# KiCad board panel.kicad_pcb
title: Badgerd-SDWireC; date: 2023-03-02; rev: 1.2; company: Badgerd Technologies B.V.; note: Talha Can Havadar
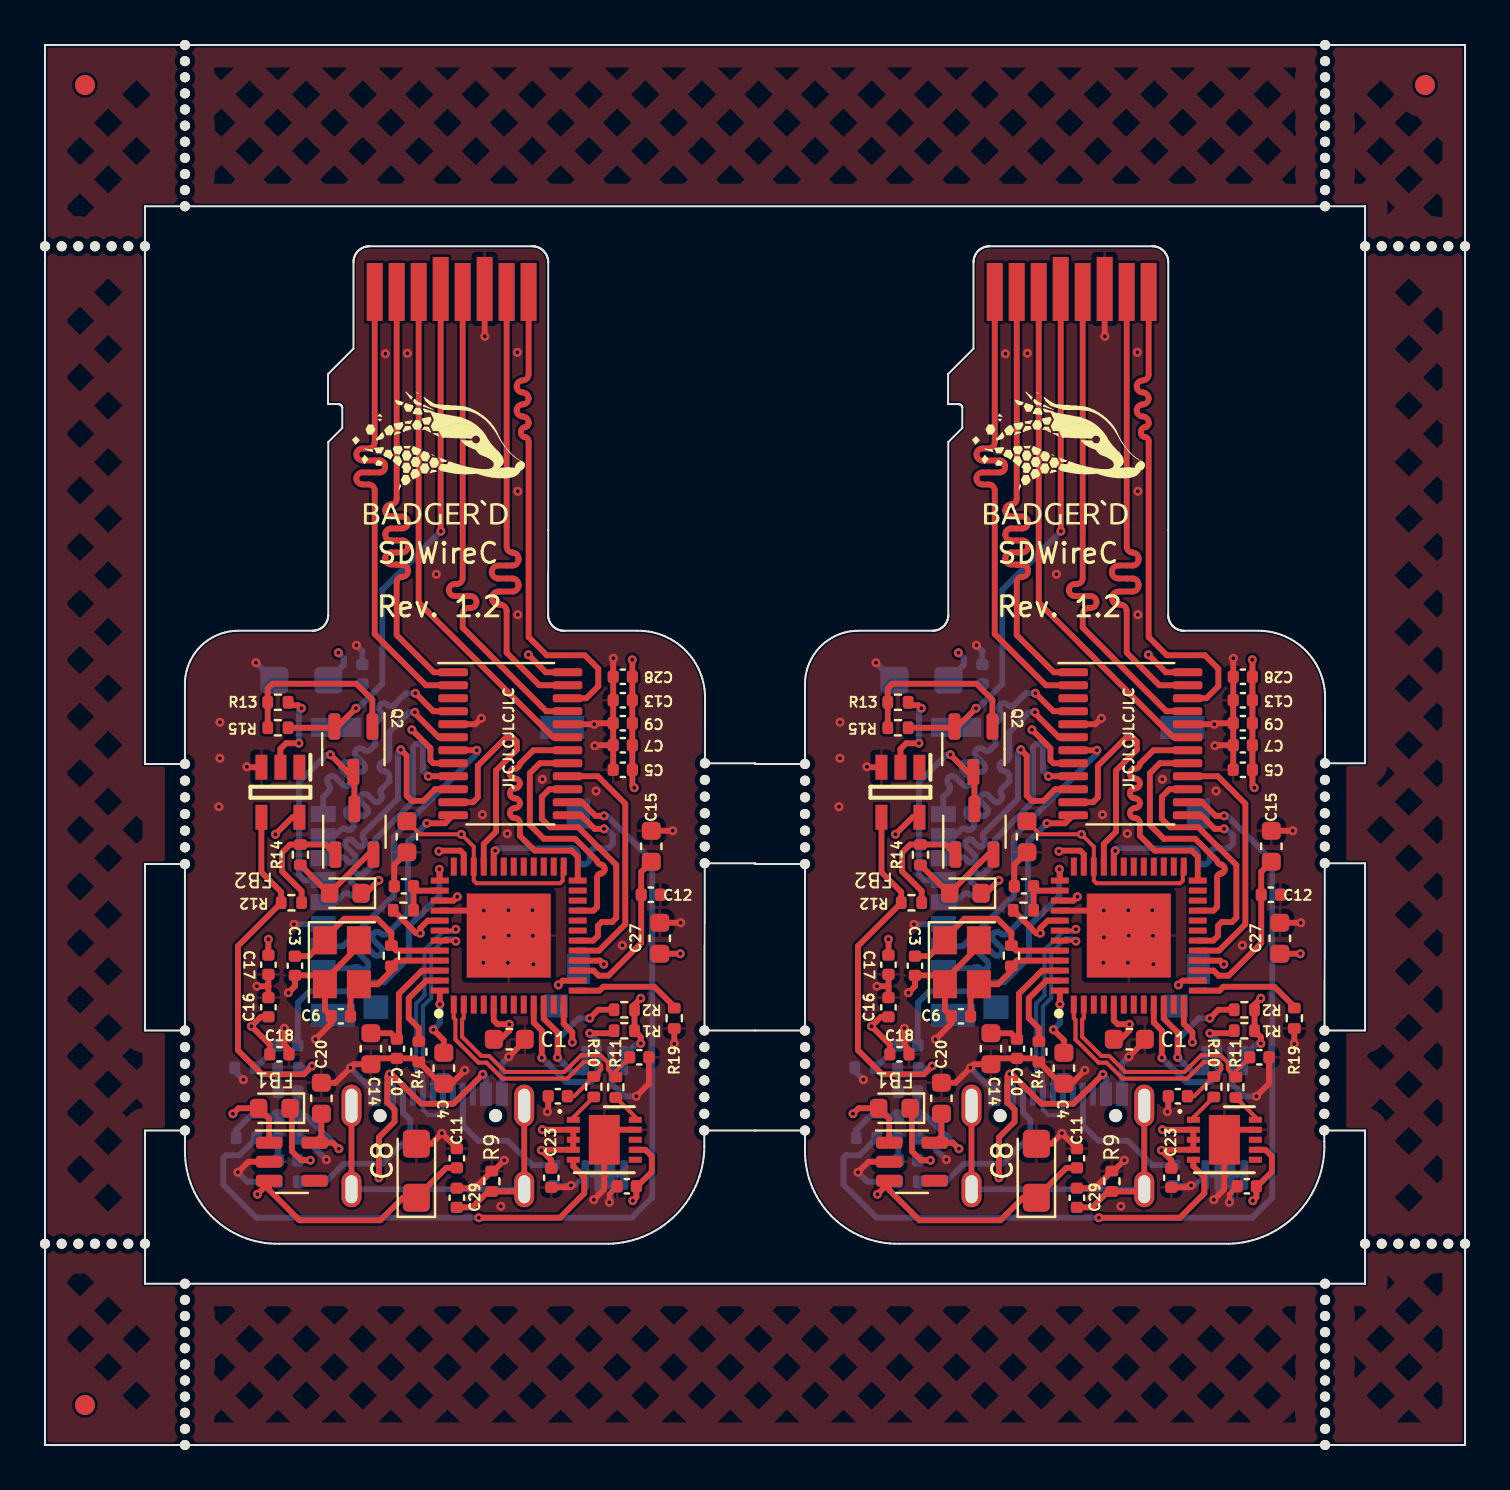
[diagram p0: board, top side]
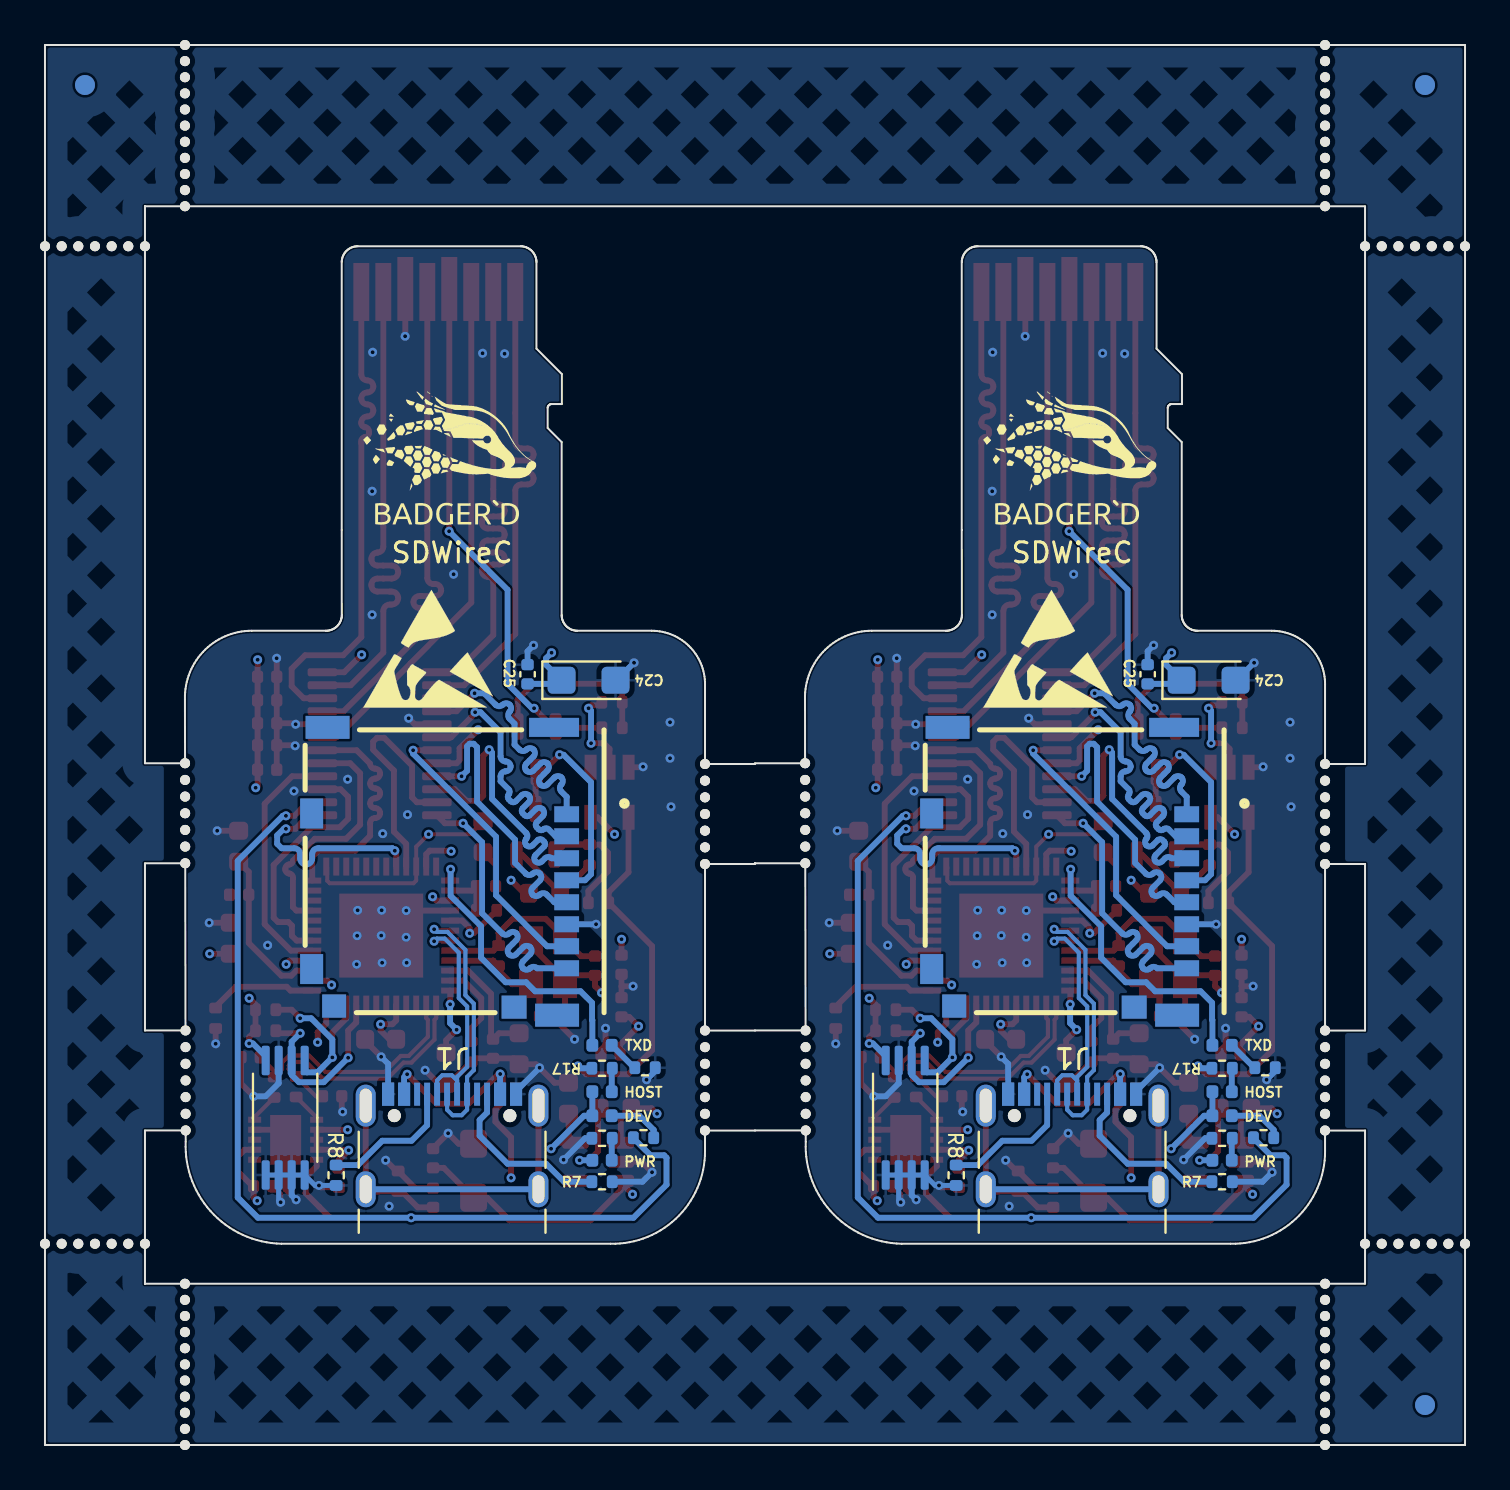
[diagram p1: board, bottom side, seen from below]

Outline 71.03 x 70 mm; copper layers: Top, In1.Cu (plane), In2.Cu (plane), Bottom. Coordinates in mm from the lower left corner of the outline.
Outline path: 0,70 0,0 71.03,0 71.03,70 0,70 ; 5,61.94 66.03,61.94 66.03,34.09 64.02,34.09 64.03,37.29 64.03,37.46 64.02,37.63 64,37.8 63.97,37.97 63.94,38.14 63.89,38.31 63.84,38.47 63.78,38.63 63.71,38.79 63.63,38.94 63.55,39.09 63.46,39.24 63.36,39.38 63.25,39.51 63.14,39.64 63.02,39.77 62.89,39.88 62.76,39.99 62.62,40.1 62.48,40.19 62.33,40.28 62.18,40.36 62.02,40.43 61.86,40.5 61.7,40.55 61.53,40.6 61.37,40.64 61.2,40.67 61.03,40.69 60.86,40.71 60.68,40.71 56.98,40.71 56.94,40.71 56.9,40.72 56.86,40.72 56.82,40.73 56.78,40.73 56.74,40.75 56.71,40.76 56.67,40.77 56.63,40.79 56.59,40.81 56.56,40.83 56.53,40.85 56.49,40.87 56.46,40.9 56.43,40.93 56.4,40.95 56.37,40.98 56.35,41.01 56.32,41.05 56.3,41.08 56.28,41.12 56.26,41.15 56.24,41.19 56.23,41.23 56.22,41.26 56.21,41.3 56.2,41.34 56.19,41.38 56.18,41.42 56.18,41.46 56.18,41.5 56.18,45.75 56.18,59.15 56.18,59.19 56.18,59.23 56.17,59.27 56.17,59.31 56.16,59.35 56.14,59.39 56.13,59.42 56.11,59.46 56.1,59.5 56.08,59.53 56.06,59.57 56.03,59.6 56.01,59.64 55.98,59.67 55.96,59.7 55.93,59.72 55.9,59.75 55.87,59.78 55.83,59.8 55.8,59.82 55.76,59.84 55.73,59.86 55.69,59.88 55.65,59.89 55.61,59.9 55.57,59.91 55.53,59.92 55.49,59.93 55.45,59.93 55.41,59.94 55.37,59.94 47.24,59.94 47.2,59.94 47.16,59.93 47.12,59.93 47.08,59.92 47.04,59.91 47,59.9 46.97,59.89 46.93,59.87 46.89,59.86 46.86,59.84 46.82,59.82 46.79,59.79 46.75,59.77 46.72,59.74 46.69,59.72 46.66,59.69 46.64,59.66 46.61,59.63 46.59,59.59 46.56,59.56 46.54,59.53 46.53,59.49 46.51,59.45 46.49,59.42 46.48,59.38 46.47,59.34 46.46,59.3 46.45,59.26 46.45,59.22 46.44,59.18 46.44,59.14 46.44,54.82 45.17,53.55 45.17,52.05 45.68,52.05 45.71,52.05 45.73,52.04 45.76,52.03 45.78,52.02 45.8,52.01 45.81,52 45.83,51.99 45.84,51.97 45.85,51.95 45.87,51.93 45.87,51.91 45.88,51.89 45.88,51.86 45.88,50.85 45.18,50.15 45.18,41.5 45.18,41.46 45.18,41.42 45.17,41.38 45.17,41.34 45.16,41.3 45.15,41.26 45.13,41.23 45.12,41.19 45.1,41.15 45.08,41.12 45.06,41.08 45.04,41.05 45.02,41.02 44.99,40.98 44.96,40.96 44.93,40.93 44.9,40.9 44.87,40.87 44.84,40.85 44.81,40.83 44.77,40.81 44.74,40.79 44.7,40.77 44.66,40.76 44.62,40.75 44.58,40.74 44.54,40.73 44.5,40.72 44.46,40.72 44.42,40.71 44.38,40.71 40.68,40.71 40.55,40.71 40.41,40.7 40.28,40.68 40.14,40.66 40.01,40.63 39.88,40.59 39.75,40.54 39.63,40.49 39.5,40.44 39.38,40.37 39.27,40.31 39.15,40.23 39.04,40.15 38.94,40.06 38.84,39.97 38.74,39.88 38.65,39.77 38.57,39.67 38.49,39.56 38.41,39.45 38.34,39.33 38.28,39.21 38.22,39.08 38.18,38.96 38.13,38.83 38.1,38.7 38.07,38.57 38.04,38.43 38.03,38.3 38.02,38.16 38.01,38.02 38.01,34.05 35.51,34.05 35.51,34.09 33.01,34.09 33.01,37.29 33.01,37.46 33,37.63 32.99,37.8 32.96,37.97 32.92,38.14 32.88,38.31 32.83,38.47 32.77,38.63 32.7,38.79 32.62,38.94 32.53,39.09 32.44,39.24 32.34,39.38 32.24,39.51 32.12,39.64 32,39.77 31.88,39.88 31.74,39.99 31.61,40.1 31.46,40.19 31.32,40.28 31.16,40.36 31.01,40.43 30.85,40.5 30.69,40.55 30.52,40.6 30.35,40.64 30.18,40.67 30.01,40.69 29.84,40.71 29.67,40.71 25.97,40.71 25.93,40.71 25.89,40.72 25.85,40.72 25.81,40.73 25.77,40.73 25.73,40.75 25.69,40.76 25.65,40.77 25.62,40.79 25.58,40.81 25.55,40.83 25.51,40.85 25.48,40.87 25.45,40.9 25.42,40.93 25.39,40.95 25.36,40.98 25.33,41.01 25.31,41.05 25.29,41.08 25.27,41.12 25.25,41.15 25.23,41.19 25.22,41.23 25.2,41.26 25.19,41.3 25.18,41.34 25.18,41.38 25.17,41.42 25.17,41.46 25.17,41.5 25.17,45.75 25.17,59.15 25.17,59.19 25.16,59.23 25.16,59.27 25.15,59.31 25.14,59.35 25.13,59.39 25.12,59.42 25.1,59.46 25.08,59.5 25.06,59.53 25.04,59.57 25.02,59.6 25,59.64 24.97,59.67 24.94,59.7 24.91,59.72 24.88,59.75 24.85,59.78 24.82,59.8 24.78,59.82 24.75,59.84 24.71,59.86 24.68,59.88 24.64,59.89 24.6,59.9 24.56,59.91 24.52,59.92 24.48,59.93 24.44,59.93 24.4,59.94 24.36,59.94 16.23,59.94 16.19,59.94 16.15,59.93 16.11,59.93 16.07,59.92 16.03,59.91 15.99,59.9 15.95,59.89 15.91,59.87 15.88,59.86 15.84,59.84 15.81,59.82 15.77,59.79 15.74,59.77 15.71,59.74 15.68,59.72 15.65,59.69 15.62,59.66 15.6,59.63 15.57,59.59 15.55,59.56 15.53,59.53 15.51,59.49 15.49,59.45 15.48,59.42 15.47,59.38 15.46,59.34 15.45,59.3 15.44,59.26 15.43,59.22 15.43,59.18 15.43,59.14 15.43,54.82 14.16,53.55 14.16,52.05 14.67,52.05 14.7,52.05 14.72,52.04 14.74,52.04 14.76,52.03 14.78,52.02 14.8,52 14.82,51.99 14.83,51.97 14.84,51.95 14.85,51.93 14.86,51.91 14.87,51.88 14.87,51.86 14.87,50.85 14.17,50.15 14.17,41.5 14.17,41.46 14.17,41.42 14.16,41.38 14.15,41.34 14.14,41.3 14.13,41.26 14.12,41.23 14.11,41.19 14.09,41.15 14.07,41.12 14.05,41.08 14.03,41.05 14,41.02 13.98,40.98 13.95,40.96 13.92,40.93 13.89,40.9 13.86,40.87 13.83,40.85 13.79,40.83 13.76,40.81 13.72,40.79 13.68,40.77 13.65,40.76 13.61,40.75 13.57,40.74 13.53,40.73 13.49,40.72 13.45,40.72 13.41,40.71 13.37,40.71 9.67,40.71 9.53,40.71 9.4,40.7 9.26,40.68 9.13,40.66 9,40.63 8.87,40.59 8.74,40.54 8.61,40.49 8.49,40.44 8.37,40.37 8.25,40.31 8.14,40.23 8.03,40.15 7.92,40.06 7.82,39.97 7.73,39.88 7.64,39.77 7.55,39.67 7.47,39.56 7.4,39.45 7.33,39.33 7.27,39.21 7.21,39.08 7.16,38.96 7.12,38.83 7.08,38.7 7.05,38.57 7.03,38.43 7.01,38.3 7,38.16 7,38.02 7,34.05 5,34.05 5,61.94 ; 5,29.05 7,29.05 7,20.72 5,20.72 5,29.05 ; 5,15.72 7,15.72 7,14.7 7.01,14.46 7.02,14.22 7.05,13.99 7.1,13.75 7.15,13.52 7.21,13.29 7.29,13.07 7.38,12.85 7.48,12.63 7.59,12.42 7.71,12.22 7.85,12.02 7.99,11.83 8.14,11.65 8.3,11.47 8.47,11.3 8.65,11.15 8.84,11 9.03,10.86 9.23,10.73 9.44,10.61 9.65,10.51 9.87,10.41 10.09,10.32 10.32,10.25 10.55,10.19 10.78,10.14 11.01,10.1 11.25,10.08 11.49,10.06 11.73,10.06 28.18,10.06 28.43,10.07 28.68,10.1 28.93,10.14 29.17,10.18 29.42,10.25 29.66,10.32 29.89,10.41 30.12,10.51 30.35,10.62 30.57,10.74 30.78,10.87 30.99,11.02 31.19,11.17 31.38,11.34 31.56,11.51 31.73,11.7 31.9,11.89 32.05,12.09 32.19,12.3 32.32,12.51 32.44,12.73 32.55,12.96 32.65,13.19 32.73,13.43 32.81,13.67 32.87,13.91 32.91,14.16 32.95,14.41 32.97,14.66 32.98,14.91 32.98,15.16 32.98,15.73 35.51,15.73 35.51,15.72 38.01,15.72 38.01,14.7 38.02,14.46 38.04,14.22 38.07,13.99 38.11,13.75 38.16,13.52 38.23,13.29 38.31,13.07 38.39,12.85 38.5,12.63 38.61,12.42 38.73,12.22 38.86,12.02 39,11.83 39.15,11.65 39.32,11.47 39.49,11.3 39.66,11.15 39.85,11 40.04,10.86 40.24,10.73 40.45,10.61 40.66,10.51 40.88,10.41 41.1,10.32 41.33,10.25 41.56,10.19 41.79,10.14 42.03,10.1 42.26,10.08 42.5,10.06 42.74,10.06 59.19,10.06 59.44,10.07 59.69,10.1 59.94,10.14 60.19,10.18 60.43,10.25 60.67,10.32 60.91,10.41 61.14,10.51 61.36,10.62 61.58,10.74 61.8,10.87 62,11.02 62.2,11.17 62.39,11.34 62.57,11.51 62.75,11.7 62.91,11.89 63.06,12.09 63.2,12.3 63.34,12.51 63.46,12.73 63.56,12.96 63.66,13.19 63.75,13.43 63.82,13.67 63.88,13.91 63.93,14.16 63.96,14.41 63.98,14.66 63.99,14.91 63.99,15.16 63.99,15.73 66.03,15.73 66.03,8.06 5,8.06 5,15.72 ; 32.98,20.73 33,29.09 35.51,29.09 35.51,29.05 38.01,29.05 38.01,20.72 35.51,20.72 35.51,20.73 32.98,20.73 ; 64,20.73 64.01,29.09 66.03,29.09 66.03,20.73 64,20.73
Stack: Top 0.035mm / dielectric 0.2104mm FR4 er 4.5 / In1.Cu 0.0152mm / dielectric 0.25mm FR4 er 4.5 / In2.Cu 0.0152mm / dielectric 0.2104mm FR4 er 4.5 / Bottom 0.035mm

## Placement (name value [footprint] x y rotation side)
C1  1uF  [C_0603_1608Metric]  54.24 20.29 0 top
C1#2  1uF  [C_0603_1608Metric]  23.23 20.29 0 top
C2  100nF  [C_0402_1005Metric]  60.11 12.94 180 top
C2#2  100nF  [C_0402_1005Metric]  29.1 12.94 180 top
C3  12pF ?  [C_0402_1005Metric]  43.51 23.96 270 top
C3#2  12pF ?  [C_0402_1005Metric]  12.5 23.96 270 top
C4  1uF  [C_0603_1608Metric]  19.95 18.84 270 top
C4#2  1uF  [C_0603_1608Metric]  50.96 18.84 270 top
C5  100nF  [C_0402_1005Metric]  59.91 33.76 180 top
C5#2  100nF  [C_0402_1005Metric]  28.9 33.76 180 top
C6  12pF ?  [C_0402_1005Metric]  14.8 21.44 0 top
C6#2  12pF ?  [C_0402_1005Metric]  45.81 21.44 0 top
C7  100nF  [C_0402_1005Metric]  59.91 34.99 180 top
C7#2  100nF  [C_0402_1005Metric]  28.9 34.99 180 top
C8  10uF  [CP_EIA-3216-18_Kemet-A]  49.59 13.71 90 top
C8#2  10uF  [CP_EIA-3216-18_Kemet-A]  18.58 13.71 90 top
C9  100nF  [C_0402_1005Metric]  59.91 36.09 180 top
C9#2  100nF  [C_0402_1005Metric]  28.9 36.09 180 top
C10  100nF  [C_0402_1005Metric]  17.6 19.81 270 top
C10#2  100nF  [C_0402_1005Metric]  48.61 19.81 270 top
C11  100nF / 16V  [C_0402_1005Metric]  20.6 14.34 90 top
C11#2  100nF / 16V  [C_0402_1005Metric]  51.61 14.34 90 top
C12  100nF  [C_0402_1005Metric]  30.3 27.51 0 top
C12#2  100nF  [C_0402_1005Metric]  61.31 27.51 0 top
C13  100nF  [C_0402_1005Metric]  28.9 37.24 180 top
C13#2  100nF  [C_0402_1005Metric]  59.91 37.24 180 top
C14  1uF  [C_0603_1608Metric]  16.3 19.81 270 top
C14#2  1uF  [C_0603_1608Metric]  47.31 19.81 270 top
C15  1uF  [C_0603_1608Metric]  30.33 29.94 90 top
C15#2  1uF  [C_0603_1608Metric]  61.34 29.94 90 top
C16  100nF  [C_0402_1005Metric]  11.18 21.89 90 top
C16#2  100nF  [C_0402_1005Metric]  42.19 21.89 90 top
C17  100nF  [C_0402_1005Metric]  11.18 24.01 270 top
C17#2  100nF  [C_0402_1005Metric]  42.19 24.01 270 top
C18  100nF / 16V  [C_0402_1005Metric]  11.73 19.54 0 top
C18#2  100nF / 16V  [C_0402_1005Metric]  42.74 19.54 0 top
C19  100nF  [C_0402_1005Metric]  17.95 27.94 180 top
C19#2  100nF  [C_0402_1005Metric]  48.96 27.94 180 top
C20  10uF  [C_0603_1608Metric]  44.84 17.34 90 top
C20#2  10uF  [C_0603_1608Metric]  13.83 17.34 90 top
C21  47pF  [C_0402_1005Metric]  56.66 17.44 180 top
C21#2  47pF  [C_0402_1005Metric]  25.65 17.44 180 top
C22  47pF  [C_0402_1005Metric]  60.74 19.39 0 top
C22#2  47pF  [C_0402_1005Metric]  29.73 19.39 0 top
C23  100nF  [C_0402_1005Metric]  25.33 13.36 90 top
C23#2  100nF  [C_0402_1005Metric]  56.34 13.36 90 top
C24  10uF  [CP_EIA-3216-18_Kemet-A]  12.83 38.24 180 bottom
C24#2  10uF  [CP_EIA-3216-18_Kemet-A]  43.84 38.24 180 bottom
C25  100nF  [C_0402_1005Metric]  15.88 38.54 90 bottom
C25#2  100nF  [C_0402_1005Metric]  46.89 38.54 90 bottom
C26  4.7uF  [C_0603_1608Metric]  49.11 30.41 270 top
C26#2  4.7uF  [C_0603_1608Metric]  18.1 30.41 270 top
C27  4.7uF  [C_0603_1608Metric]  61.76 25.34 90 top
C27#2  4.7uF  [C_0603_1608Metric]  30.75 25.34 90 top
C28  100nF  [C_0402_1005Metric]  59.91 38.41 180 top
C28#2  100nF  [C_0402_1005Metric]  28.9 38.41 180 top
C29  100nF  [C_0402_1005Metric]  20.6 12.36 90 top
C29#2  100nF  [C_0402_1005Metric]  51.61 12.36 90 top
D1  Red  [LED_0402_1005Metric]  12.15 14.24 0 bottom
D1#2  Red  [LED_0402_1005Metric]  43.16 14.24 0 bottom
D2  Green  [LED_0402_1005Metric]  43.16 19.99 0 bottom
D2#2  Green  [LED_0402_1005Metric]  12.15 19.99 0 bottom
D3  Blue  [LED_0402_1005Metric]  43.16 16.46 0 bottom
D3#2  Blue  [LED_0402_1005Metric]  12.15 16.46 0 bottom
D4  Yellow  [LED_0402_1005Metric]  43.16 17.66 0 bottom
D4#2  Yellow  [LED_0402_1005Metric]  12.15 17.66 0 bottom
FB1  150R  [D_0603_1608Metric]  42.49 16.84 180 top
FB1#2  150R  [D_0603_1608Metric]  11.48 16.84 180 top
FB2  150R  [D_0603_1608Metric]  46.04 27.59 180 top
FB2#2  150R  [D_0603_1608Metric]  15.03 27.59 180 top
G***  LOGO  [badgerd-logo-9mm]  19.73 49.31 0 top
G***#2  LOGO  [badgerd-logo-9mm]  50.74 49.31 0 top
G***#3  LOGO  [badgerd-logo-9mm]  19.73 49.31 180 bottom
G***#4  LOGO  [badgerd-logo-9mm]  50.74 49.31 180 bottom
IC1  USB2640-HZH-02  [QFN50P700X700X100-49N-D]  23.2 25.47 90 top
IC1#2  USB2640-HZH-02  [QFN50P700X700X100-49N-D]  54.21 25.47 90 top
IC2  MC74HC1G04DTT1G  [SOT95P275X110-5N]  11.78 32.64 270 top
IC2#2  MC74HC1G04DTT1G  [SOT95P275X110-5N]  42.79 32.64 270 top
J1  USB_C_Receptacle_USB2.0  [USB_C_Receptacle_GCT_USB4105-xx-A_16P_TopMnt_Horizontal]  50.66 13.86 180 bottom
J1#2  USB_C_Receptacle_USB2.0  [USB_C_Receptacle_GCT_USB4105-xx-A_16P_TopMnt_Horizontal]  19.65 13.86 180 bottom
J2  usd_plug  [usd]  47.5 57.65 0 top
J2#2  usd_plug  [usd]  16.49 57.65 0 top
J3  Micro_SD_Card  [5031821852]  45.56 28.69 270 bottom
J3#2  Micro_SD_Card  [5031821852]  14.55 28.69 270 bottom
Q1  SMMBT4403L  [SOT-23-3]  46.49 30.66 90 top
Q1#2  SMMBT4403L  [SOT-23-3]  15.48 30.66 90 top
Q2  SMMBT4403L  [SOT-23-3]  15.43 34.79 270 top
Q2#2  SMMBT4403L  [SOT-23-3]  46.44 34.79 270 top
R1  10K  [R_0402_1005Metric]  59.99 20.71 180 top
R1#2  10K  [R_0402_1005Metric]  28.98 20.71 180 top
R2  10K  [R_0402_1005Metric]  59.99 21.76 180 top
R2#2  10K  [R_0402_1005Metric]  28.98 21.76 180 top
R3  1.5K  [R_0402_1005Metric]  12.15 15.34 0 bottom
R3#2  1.5K  [R_0402_1005Metric]  43.16 15.34 0 bottom
R4  12K  [R_0402_1005Metric]  18.7 19.66 90 top
R4#2  12K  [R_0402_1005Metric]  49.71 19.66 90 top
R5  10K  [R_0402_1005Metric]  48.94 26.74 0 top
R5#2  10K  [R_0402_1005Metric]  17.93 26.74 0 top
R6  1.5K  [R_0402_1005Metric]  41.01 18.86 180 bottom
R6#2  1.5K  [R_0402_1005Metric]  10 18.86 180 bottom
R7  5.1K  [R_0402_1005Metric]  12.15 13.16 0 bottom
R7#2  5.1K  [R_0402_1005Metric]  43.16 13.16 0 bottom
R8  5.1K  [R_0402_1005Metric]  56.46 13.49 90 bottom
R8#2  5.1K  [R_0402_1005Metric]  25.45 13.49 90 bottom
R9  10K  [R_0402_1005Metric]  53.36 13.19 90 top
R9#2  10K  [R_0402_1005Metric]  22.35 13.19 90 top
R10  27R  [R_0402_1005Metric]  27.45 17.91 270 top
R10#2  27R  [R_0402_1005Metric]  58.46 17.91 270 top
R11  27R  [R_0402_1005Metric]  28.55 17.89 90 top
R11#2  27R  [R_0402_1005Metric]  59.56 17.89 90 top
R12  1.5K  [R_0402_1005Metric]  43.34 27.11 180 top
R12#2  1.5K  [R_0402_1005Metric]  12.33 27.11 180 top
R13  1.5K  [R_0402_1005Metric]  42.66 37.14 0 top
R13#2  1.5K  [R_0402_1005Metric]  11.65 37.14 0 top
R14  10K  [R_0402_1005Metric]  43.79 29.51 90 top
R14#2  10K  [R_0402_1005Metric]  12.78 29.51 90 top
R15  10K  [R_0402_1005Metric]  11.65 35.86 180 top
R15#2  10K  [R_0402_1005Metric]  42.66 35.86 180 top
R16  1.5K  [R_0402_1005Metric]  41.09 15.36 180 bottom
R16#2  1.5K  [R_0402_1005Metric]  10.08 15.36 180 bottom
R17  1.5K  [R_0402_1005Metric]  12.15 18.84 180 bottom
R17#2  1.5K  [R_0402_1005Metric]  43.16 18.84 180 bottom
R18  1M  [R_0402_1005Metric]  48.34 24.46 270 top
R18#2  1M  [R_0402_1005Metric]  17.33 24.46 270 top
R19  0R  [R_0402_1005Metric]  31.48 21.34 90 top
R19#2  0R  [R_0402_1005Metric]  62.49 21.34 90 top
REF**  -  [NPTH]  7 7.26 0 top
REF**#2  -  [NPTH]  4.17 10.06 0 top
REF**#3  -  [NPTH]  68.53 10.06 0 top
REF**#4  -  [NPTH]  7 32.38 0 top
REF**#5  -  [NPTH]  38.01 31.55 0 top
REF**#6  -  [NPTH]  7 29.88 0 top
REF**#7  -  [NPTH]  68.53 59.94 0 top
REF**#8  -  [NPTH]  7 1.61 0 top
REF**#9  -  [NPTH]  33 29.09 0 top
REF**#10  -  [NPTH]  64.01 29.09 0 top
REF**#11  -  [NPTH]  38.01 19.89 0 top
REF**#12  -  [NPTH]  32.98 16.56 0 top
REF**#13  -  [NPTH]  69.36 10.06 0 top
REF**#14  -  [NPTH]  64.02 34.09 0 top
REF**#15  -  [NPTH]  64.03 0.81 0 top
REF**#16  -  [NPTH]  64.03 63.55 0 top
REF**#17  -  [NPTH]  70.19 10.06 0 top
REF**#18  -  [NPTH]  7 33.22 0 top
REF**#19  -  [NPTH]  5 59.94 0 top
REF**#20  -  [NPTH]  7 3.22 0 top
REF**#21  -  [NPTH]  32.98 17.39 0 top
REF**#22  -  [NPTH]  7 8.06 0 top
REF**#23  -  [NPTH]  64.03 64.36 0 top
REF**#24  -  [NPTH]  7 65.16 0 top
REF**#25  -  [NPTH]  64.03 67.58 0 top
REF**#26  -  [NPTH]  38.01 18.22 0 top
REF**#27  -  [NPTH]  7 2.42 0 top
REF**#28  -  [NPTH]  32.98 19.89 0 top
REF**#29  -  [NPTH]  7 64.36 0 top
REF**#30  -  [NPTH]  7 67.58 0 top
REF**#31  -  [NPTH]  38.01 32.38 0 top
REF**#32  -  [NPTH]  64 19.06 0 top
REF**#33  -  [NPTH]  64.03 4.03 0 top
REF**#34  -  [NPTH]  64.03 61.94 0 top
REF**#35  -  [NPTH]  38.01 15.72 0 top
REF**#36  -  [NPTH]  1.67 59.94 0 top
REF**#37  -  [NPTH]  1.67 10.06 0 top
REF**#38  -  [NPTH]  7 19.89 0 top
REF**#39  -  [NPTH]  0.83 59.94 0 top
REF**#40  -  [NPTH]  0 10.06 0 top
REF**#41  -  [NPTH]  7 4.84 0 top
REF**#42  -  [NPTH]  38.01 33.22 0 top
REF**#43  -  [NPTH]  66.03 59.94 0 top
REF**#44  -  [NPTH]  64.03 4.84 0 top
REF**#45  -  [NPTH]  70.19 59.94 0 top
REF**#46  -  [NPTH]  33.01 33.25 0 top
REF**#47  -  [NPTH]  7 65.97 0 top
REF**#48  -  [NPTH]  7 30.72 0 top
REF**#49  -  [NPTH]  64.02 30.75 0 top
REF**#50  -  [NPTH]  64.03 2.42 0 top
REF**#51  -  [NPTH]  64.02 31.59 0 top
REF**#52  -  [NPTH]  66.86 10.06 0 top
REF**#53  -  [NPTH]  64.02 33.25 0 top
REF**#54  -  [NPTH]  7 63.55 0 top
REF**#55  -  [NPTH]  67.69 10.06 0 top
REF**#56  -  [NPTH]  7 17.39 0 top
REF**#57  -  [NPTH]  64.03 6.45 0 top
REF**#58  -  [Fiducial]  2 2 0 top
REF**#59  -  [NPTH]  64.03 0 0 top
REF**#60  -  [NPTH]  33.01 34.09 0 top
REF**#61  -  [NPTH]  71.03 59.94 0 top
REF**#62  -  [NPTH]  64 19.89 0 top
REF**#63  -  [NPTH]  32.98 19.06 0 top
REF**#64  -  [NPTH]  0 59.94 0 top
REF**#65  -  [NPTH]  5 10.06 0 top
REF**#66  -  [NPTH]  32.98 20.73 0 top
REF**#67  -  [NPTH]  7 0.81 0 top
REF**#68  -  [NPTH]  33 29.92 0 top
REF**#69  -  [NPTH]  64.01 29.92 0 top
REF**#70  -  [NPTH]  38.01 34.05 0 top
REF**#71  -  [NPTH]  33 31.59 0 top
REF**#72  -  [NPTH]  7 0 0 top
REF**#73  -  [NPTH]  38.01 20.72 0 top
REF**#74  -  [NPTH]  2.5 59.94 0 top
REF**#75  -  [NPTH]  64.03 66.78 0 top
REF**#76  -  [NPTH]  38.01 19.06 0 top
REF**#77  -  [NPTH]  7 20.72 0 top
REF**#78  -  [NPTH]  7 70 0 top
REF**#79  -  [NPTH]  7 16.56 0 top
REF**#80  -  [NPTH]  33 30.75 0 top
REF**#81  -  [NPTH]  38.01 17.39 0 top
REF**#82  -  [NPTH]  0.83 10.06 0 top
REF**#83  -  [NPTH]  7 69.19 0 top
REF**#84  -  [Fiducial]  2 68 0 top
REF**#85  -  [NPTH]  64.03 3.22 0 top
REF**#86  -  [NPTH]  3.33 59.94 0 top
REF**#87  -  [NPTH]  3.33 10.06 0 top
REF**#88  -  [NPTH]  2.5 10.06 0 top
REF**#89  -  [NPTH]  64.03 69.19 0 top
REF**#90  -  [NPTH]  7 29.05 0 top
REF**#91  -  [NPTH]  66.03 10.06 0 top
REF**#92  -  [NPTH]  7 19.06 0 top
REF**#93  -  [NPTH]  38.01 29.05 0 top
REF**#94  -  [NPTH]  63.99 15.73 0 top
REF**#95  -  [NPTH]  32.98 18.23 0 top
REF**#96  -  [NPTH]  64.03 1.61 0 top
REF**#97  -  [NPTH]  63.99 18.23 0 top
REF**#98  -  [NPTH]  7 18.22 0 top
REF**#99  -  [NPTH]  38.01 30.72 0 top
REF**#100  -  [NPTH]  4.17 59.94 0 top
REF**#101  -  [NPTH]  63.99 16.56 0 top
REF**#102  -  [NPTH]  64.03 65.16 0 top
REF**#103  -  [NPTH]  64.03 8.06 0 top
REF**#104  -  [NPTH]  38.01 29.88 0 top
REF**#105  -  [NPTH]  69.36 59.94 0 top
REF**#106  -  [NPTH]  64.03 7.26 0 top
REF**#107  -  [Fiducial]  69.03 68 0 top
REF**#108  -  [NPTH]  64 20.73 0 top
REF**#109  -  [NPTH]  7 34.05 0 top
REF**#110  -  [NPTH]  7 66.78 0 top
REF**#111  -  [NPTH]  7 15.72 0 top
REF**#112  -  [NPTH]  71.03 10.06 0 top
REF**#113  -  [NPTH]  7 61.94 0 top
REF**#114  -  [NPTH]  64.03 5.64 0 top
REF**#115  -  [NPTH]  7 6.45 0 top
REF**#116  -  [NPTH]  38.01 16.56 0 top
REF**#117  -  [NPTH]  66.86 59.94 0 top
REF**#118  -  [NPTH]  7 5.64 0 top
REF**#119  -  [NPTH]  64.03 70 0 top
REF**#120  -  [NPTH]  7 31.55 0 top
REF**#121  -  [NPTH]  64.02 32.42 0 top
REF**#122  -  [NPTH]  64.03 65.97 0 top
REF**#123  -  [NPTH]  67.69 59.94 0 top
REF**#124  -  [NPTH]  32.98 15.73 0 top
REF**#125  -  [NPTH]  7 68.39 0 top
REF**#126  -  [NPTH]  64.03 62.74 0 top
REF**#127  -  [NPTH]  63.99 17.39 0 top
REF**#128  -  [NPTH]  7 62.74 0 top
REF**#129  -  [NPTH]  7 4.03 0 top
REF**#130  -  [NPTH]  33 32.42 0 top
REF**#131  -  [NPTH]  64.03 68.39 0 top
REF**#132  -  [Fiducial]  69.03 68 0 bottom
REF**#133  -  [ESD-Logo_6.6x6mm_SilkScreen]  20.84 39.83 180 bottom
REF**#134  -  [Fiducial]  2 68 0 bottom
REF**#135  -  [Fiducial]  2 2 0 bottom
REF**#136  -  [ESD-Logo_6.6x6mm_SilkScreen]  51.85 39.83 180 bottom
U1  M24C02-RDW  [TSSOP-8_4.4x3mm_P0.65mm]  59.01 16.36 90 bottom
U1#2  M24C02-RDW  [TSSOP-8_4.4x3mm_P0.65mm]  28 16.36 90 bottom
U2  SPX3819M5-L-3-3  [SOT-23-5]  12.35 14.16 0 top
U2#2  SPX3819M5-L-3-3  [SOT-23-5]  43.36 14.16 0 top
U3  TS3A27518EPW  [TSSOP-24_4.4x7.8mm_P0.65mm]  54.29 35.06 0 top
U3#2  TS3A27518EPW  [TSSOP-24_4.4x7.8mm_P0.65mm]  23.28 35.06 0 top
U4  FT200XD  [DFN-10-1EP_3x3mm_P0.5mm_EP1.55x2.48mm]  27.98 15.26 0 top
U4#2  FT200XD  [DFN-10-1EP_3x3mm_P0.5mm_EP1.55x2.48mm]  58.99 15.26 0 top
Y1  24Mhz  [Crystal_SMD_3225-4Pin_3.2x2.5mm]  14.85 24.14 270 top
Y1#2  24Mhz  [Crystal_SMD_3225-4Pin_3.2x2.5mm]  45.86 24.14 270 top

## Library data of the parts
C1 C1#2 C4 C4#2 C14 C14#2 C15 C15#2 C20 C20#2 C26 C26#2 C27 C27#2 FB1 FB1#2 FB2 FB2#2 = -: JLC: 0603
C2 C2#2 C3 C3#2 C5 C5#2 C6 C6#2 C7 C7#2 C9 C9#2 C10 C10#2 C11 C11#2 C12 C12#2 C13 C13#2 C16 C16#2 C17 C17#2 C18 C18#2 C19 C19#2 C21 C21#2 C22 C22#2 C23 C23#2 C25 C25#2 C28 C28#2 D1 D1#2 D2 D2#2 D3 D3#2 D4 D4#2 R1 R1#2 R2 R2#2 R3 R3#2 R4 R4#2 R5 R5#2 R6 R6#2 R9 R9#2 R10 R10#2 R11 R11#2 R12 R12#2 R13 R13#2 R14 R14#2 R15 R15#2 R16 R16#2 R17 R17#2 R19 R19#2 = -: JLC: 0402
C8 C8#2 C24 C24#2 = -: JLC: CASE-A-3216
IC1 IC1#2 = -: Description: USB 2.0 Flash Controller/USB Hub QFN48; Height: 1; JLC: QFN-48-EP(7x7); Manufacturer_Name: Microchip; Mouser Part Number: 886-USB2640-HZH-02; Mouser Price/Stock: https://www.mouser.co.uk/ProductDetail/Microchip-Technology-Atmel/USB2640-HZH-02?qs=pA5MXup5wxH%2Fek7J%252BFrQsg%3D%3D
IC2 IC2#2 = -: Description: ON Semiconductor MC74HC1G04DTT1G CMOS Inverter, Inverting, 2  6 V, 5-Pin TSOP; Height: 1.1; JLC: SOT-23-5; LCSC Part: C154774; Manufacturer_Name: onsemi; Mouser Part Number: 863-MC74HC1G04DTT1G; Mouser Price/Stock: https://www.mouser.co.uk/ProductDetail/onsemi/MC74HC1G04DTT1G?qs=qg33o%252B8vzFoVD3EmN%252BzWZg%3D%3D
J1 J1#2 = -: JLC: SMD; LCSC Part: C668624
J3 J3#2 = -: LCSC Part: C587953
Q1 Q1#2 Q2 Q2#2 = -: JLC: SOT-23-3; LCSC Part: C231272
R7 R7#2 R8 R8#2 = -: JLC: 0402; LCSC Part: C25905
U1 U1#2 = -: JLC: TSSOP-8-3.0mm; LCSC Part: C152731
U2 U2#2 = -: JLC: SOT-23-5; LCSC Part: C9055
U3 U3#2 = -: JLC: TSSOP-24; LCSC Part: C443721
U4 U4#2 = -: JLC: DFN-10-EP(3x3); LCSC Part: C145361
Y1 Y1#2 = -: JLC: SMD3225-4P

## Footprints (pads in the part's own frame, mm; a bottom-side part is the same pattern mirrored in y, then rotated)
5031821852
  rect 0.8x1.24 smd: 1(-2.85,0.63) 2(-1.75,0.63) 3(-0.65,0.63) 4(0.45,0.63) 5(1.55,0.63) 6(2.65,0.63) 7(3.75,0.63) 8(4.85,0.63)
  rect 0.95x2.5 smd: 9(-7.195,0)
  rect 1.15x2.2 smd: 10(7.195,0.15) 15(-7.195,-11.33)
  rect 1.16x1.25 smd: 11(6.795,-2)
  rect 1.16x1.2 smd: 12(6.74,-11)
  rect 1.5x1.15 smd: 13(4.89,-12.125) 14(-2.89,-12.125)
C_0402_1005Metric
  rrect 0.56x0.62 smd: 1(-0.48,0) 2(0.48,0)
C_0603_1608Metric
  rrect 0.9x0.95 smd: 1(-0.775,0) 2(0.775,0)
CP_EIA-3216-18_Kemet-A
  rrect 1.4x1.35 smd: 1(-1.35,0) 2(1.35,0)
Crystal_SMD_3225-4Pin_3.2x2.5mm
  rect 1.4x1.2 smd: 1(-1.1,-0.85) 2(1.1,-0.85) 3(1.1,0.85) 4(-1.1,0.85)
D_0603_1608Metric
  rrect 0.875x0.95 smd: 1(-0.787,0) 2(0.787,0)
DFN-10-1EP_3x3mm_P0.5mm_EP1.55x2.48mm
  rect 0.6x1.05 smd: (-0.388,0.62) (-0.388,-0.62) (0.388,0.62) (0.388,-0.62)
  rect 0.65x0.3 smd: 1(-1.55,1) 2(-1.55,0.5) 3(-1.55,0) 4(-1.55,-0.5) 5(-1.55,-1) 6(1.55,-1) 7(1.55,-0.5) 8(1.55,0) 9(1.55,0.5) 10(1.55,1)
  rect 1.55x2.48 smd: 11(0,0)
Fiducial
  round 1 smd: (0,0)
LED_0402_1005Metric
  rrect 0.59x0.64 smd: 1(-0.485,0) 2(0.485,0)
NPTH
  round 0.5 hole 0.5 unplated: (0,0)
QFN50P700X700X100-49N-D
  rect 0.9x0.3 smd: 1(-3.45,2.75) 2(-3.45,2.25) 3(-3.45,1.75) 4(-3.45,1.25) 5(-3.45,0.75) 6(-3.45,0.25) 7(-3.45,-0.25) 8(-3.45,-0.75) 9(-3.45,-1.25) 10(-3.45,-1.75) 11(-3.45,-2.25) 12(-3.45,-2.75) 25(3.45,-2.75) 26(3.45,-2.25) 27(3.45,-1.75) 28(3.45,-1.25) 29(3.45,-0.75) 30(3.45,-0.25) 31(3.45,0.25) 32(3.45,0.75) 33(3.45,1.25) 34(3.45,1.75) 35(3.45,2.25) 36(3.45,2.75)
  rect 0.3x0.9 smd: 13(-2.75,-3.45) 14(-2.25,-3.45) 15(-1.75,-3.45) 16(-1.25,-3.45) 17(-0.75,-3.45) 18(-0.25,-3.45) 19(0.25,-3.45) 20(0.75,-3.45) 21(1.25,-3.45) 22(1.75,-3.45) 23(2.25,-3.45) 24(2.75,-3.45) 37(2.75,3.45) 38(2.25,3.45) 39(1.75,3.45) 40(1.25,3.45) 41(0.75,3.45) 42(0.25,3.45) 43(-0.25,3.45) 44(-0.75,3.45) 45(-1.25,3.45) 46(-1.75,3.45) 47(-2.25,3.45) 48(-2.75,3.45)
  rect 4.2x4.2 smd: 49(0,0)
R_0402_1005Metric
  rrect 0.54x0.64 smd: 1(-0.51,0) 2(0.51,0)
SOT95P275X110-5N
  rect 1.25x0.6 smd: 1(-1.25,0.95) 2(-1.25,0) 3(-1.25,-0.95) 4(1.25,-0.95) 5(1.25,0.95)
SOT-23-3
  rrect 1.325x0.6 smd: 1(-1.137,0.95) 2(-1.137,-0.95) 3(1.137,0)
SOT-23-5
  rrect 1.325x0.6 smd: 1(-1.137,0.95) 2(-1.137,0) 3(-1.137,-0.95) 4(1.137,-0.95) 5(1.137,0.95)
TSSOP-8_4.4x3mm_P0.65mm
  rrect 1.475x0.4 smd: 1(-2.862,0.975) 2(-2.862,0.325) 3(-2.862,-0.325) 4(-2.862,-0.975) 5(2.862,-0.975) 6(2.862,-0.325) 7(2.862,0.325) 8(2.862,0.975)
TSSOP-24_4.4x7.8mm_P0.65mm
  rrect 1.475x0.4 smd: 1(-2.862,3.575) 2(-2.862,2.925) 3(-2.862,2.275) 4(-2.862,1.625) 5(-2.862,0.975) 6(-2.862,0.325) 7(-2.862,-0.325) 8(-2.862,-0.975) 9(-2.862,-1.625) 10(-2.862,-2.275) 11(-2.862,-2.925) 12(-2.862,-3.575) 13(2.862,-3.575) 14(2.862,-2.925) 15(2.862,-2.275) 16(2.862,-1.625) 17(2.862,-0.975) 18(2.862,-0.325) 19(2.862,0.325) 20(2.862,0.975) 21(2.862,1.625) 22(2.862,2.275) 23(2.862,2.925) 24(2.862,3.575)
USB_C_Receptacle_GCT_USB4105-xx-A_16P_TopMnt_Horizontal
  round 0.65 hole 0.65 unplated: (-2.89,2.605) (2.89,2.605)
  rect 0.6x1.15 smd: A1(-3.2,3.68) A4(-2.4,3.68) A9(2.4,3.68) A12(3.2,3.68) B1(3.2,3.68) B4(2.4,3.68) B9(-2.4,3.68) B12(-3.2,3.68)
  rect 0.3x1.15 smd: A5(-1.25,3.68) A6(-0.25,3.68) A7(0.25,3.68) A8(1.25,3.68) B5(1.75,3.68) B6(0.75,3.68) B7(-0.75,3.68) B8(-1.75,3.68)
  oval 1x1.8 hole 0.6x1.4: S1(-4.32,-1.075) S1(4.32,-1.075)
  oval 1x2.1 hole 0.6x1.7: S1(-4.32,3.105) S1(4.32,3.105)
usd
  rect 0.8x2.9 smd: 1(0,0) 2(1.1,0) 3(2.2,0) 5(4.4,0) 7(6.6,0) 8(7.7,0)
  rect 0.8x3.2 smd: 4(3.3,0.15) 6(5.5,0.15)

## Nets
+3V3: C1.1 C1#2.1 C2.1 C2#2.1 C4.1 C4#2.1 C5.1 C5#2.1 C7.1 C7#2.1 C9.1 C9#2.1 C13.1 C13#2.1 C16.1 C16#2.1 C17.1 C17#2.1 C18.1 C18#2.1 C20.1 C20#2.1 C23.2 C23#2.2 C26.1 C26#2.1 C27.1 C27#2.1 C28.1 C28#2.1 D3.2 D3#2.2 D4.2 D4#2.2 IC1.5 IC1.12 IC1.16 IC1.25 IC1.34 IC1.39 IC1.41 IC1.48 IC1#2.5 IC1#2.12 IC1#2.16 IC1#2.25 IC1#2.34 IC1#2.39 IC1#2.41 IC1#2.48 IC2.5 IC2#2.5 R1.1 R1#2.1 R2.1 R2#2.1 R5.1 R5#2.1 U1.8 U1#2.8 U2.5 U2#2.5 U3.8 U3#2.8 U4.2 U4.3 U4.4 U4.7 U4#2.2 U4#2.3 U4#2.4 U4#2.7
/VDD: D1.2 D1#2.2 FB1.1 FB1#2.1 J1.A4 J1.A9 J1.B4 J1.B9 J1#2.A4 J1#2.A9 J1#2.B4 J1#2.B9
/VDD_DEVICE: J2.4 J2#2.4 Q2.2 Q2#2.2 R15.1 R15#2.1
/VDD_HOST: FB2.2 FB2#2.2 Q1.2 Q1#2.2 R14.1 R14#2.1
GND: C1.2 C1#2.2 C2.2 C2#2.2 C3.2 C3#2.2 C4.2 C4#2.2 C5.2 C5#2.2 C6.1 C6#2.1 C7.2 C7#2.2 C8.2 C8#2.2 C9.2 C9#2.2 C10.2 C10#2.2 C11.2 C11#2.2 C12.2 C12#2.2 C13.2 C13#2.2 C14.2 C14#2.2 C15.2 C15#2.2 C16.2 C16#2.2 C17.2 C17#2.2 C18.2 C18#2.2 C19.2 C19#2.2 C20.2 C20#2.2 C21.2 C21#2.2 C22.2 C22#2.2 C23.1 C23#2.1 C24.2 C24#2.2 C25.2 C25#2.2 C26.2 C26#2.2 C27.2 C27#2.2 C28.2 C28#2.2 C29.2 C29#2.2 IC1.40 IC1.49 IC1#2.40 IC1#2.49 IC2.3 IC2#2.3 J1.A1 J1.A12 J1.B1 J1.B12 J1#2.A1 J1#2.A12 J1#2.B1 J1#2.B12 J2.6 J2#2.6 J3.6 J3#2.6 R3.2 R3#2.2 R4.1 R4#2.1 R6.2 R6#2.2 R7.1 R7#2.1 R8.1 R8#2.1 R9.2 R9#2.2 R19.1 R19#2.1 U1.1 U1.2 U1.3 U1.4 U1.7 U1#2.1 U1#2.2 U1#2.3 U1#2.4 U1#2.7 U2.2 U2#2.2 U3.5 U3.20 U3#2.5 U3#2.20 U4.9 U4.11 U4#2.9 U4#2.11 Y1.2 Y1.4 Y1#2.2 Y1#2.4
/dSD_CLK: J2.5 J2#2.5 U3.21 U3#2.21
/dSD_CMD: J2.3 J2#2.3 U3.19 U3#2.19
/dSD_DAT0: J2.7 J2#2.7 U3.23 U3#2.23
/dSD_DAT1: J2.8 J2#2.8 U3.22 U3#2.22
/dSD_DAT2: J2.1 J2#2.1 U3.2 U3#2.2
/dSD_DAT3: J2.2 J2#2.2 U3.1 U3#2.1
/MUX_SELECTOR: IC2.2 IC2#2.2 R13.2 R13#2.2 R16.1 R16#2.1 U3.14 U3.24 U3#2.14 U3#2.24 U4.5 U4#2.5
/nRESET: C19.1 C19#2.1 IC1.38 IC1#2.38 R5.2 R5#2.2
/SD_CLK: IC1.21 IC1#2.21 U3.17 U3#2.17
/SD_CMD: IC1.24 IC1#2.24 U3.18 U3#2.18
/SD_DAT0: IC1.18 IC1#2.18 U3.15 U3#2.15
/SD_DAT1: IC1.17 IC1#2.17 U3.16 U3#2.16
/SD_DAT2: IC1.33 IC1#2.33 U3.11 U3#2.11
/SD_DAT3: IC1.32 IC1#2.32 U3.13 U3#2.13
/SD_nCD: IC1.14 IC1#2.14 IC2.4 IC2#2.4 R12.2 R12#2.2 R17.1 R17#2.1
/USB_DOWN+: C22.1 C22#2.1 IC1.2 IC1#2.2 R11.2 R11#2.2
/USB_DOWN-: C21.1 C21#2.1 IC1.1 IC1#2.1 R10.1 R10#2.1
/USB_UP+: IC1.42 IC1#2.42 J1.A6 J1.B6 J1#2.A6 J1#2.B6
/USB_UP-: IC1.43 IC1#2.43 J1.A7 J1.B7 J1#2.A7 J1#2.B7
/uSD_VDD: C24.1 C24#2.1 C25.1 C25#2.1 J3.4 J3#2.4 Q1.3 Q1#2.3 Q2.3 Q2#2.3
/XTAL1: C6.2 C6#2.2 IC1.45 IC1#2.45 R18.2 R18#2.2 Y1.3 Y1#2.3
/XTAL2: C3.1 C3#2.1 IC1.44 IC1#2.44 R18.1 R18#2.1 Y1.1 Y1#2.1
Net-(C10-Pad1): C10.1 C10#2.1 C14.1 C14#2.1 IC1.46 IC1#2.46
Net-(C11-Pad1): C8.1 C8#2.1 C11.1 C11#2.1 FB1.2 FB1#2.2 U2.1 U2.3 U2#2.1 U2#2.3
Net-(C12-Pad1): C12.1 C12#2.1 C15.1 C15#2.1 IC1.15 IC1#2.15
Net-(C29-Pad1): C29.1 C29#2.1 J1.S1 J1#2.S1 R9.1 R9#2.1
Net-(D1-Pad1): D1.1 D1#2.1 R3.1 R3#2.1
Net-(D2-Pad1): D2.1 D2#2.1 R6.1 R6#2.1
Net-(D2-Pad2): D2.2 D2#2.2 IC1.37 IC1#2.37
Net-(D3-Pad1): D3.1 D3#2.1 R16.2 R16#2.2
Net-(D4-Pad1): D4.1 D4#2.1 R17.2 R17#2.2
Net-(FB2-Pad1): FB2.1 FB2#2.1 IC1.35 IC1#2.35
Net-(IC1-Pad9): IC1.9 IC1#2.9 R1.2 R1#2.2 U1.6 U1#2.6
Net-(IC1-Pad10): IC1.10 IC1#2.10 R2.2 R2#2.2 U1.5 U1#2.5